# KiCad board fmc_memory_adapter.kicad_pcb (continued)
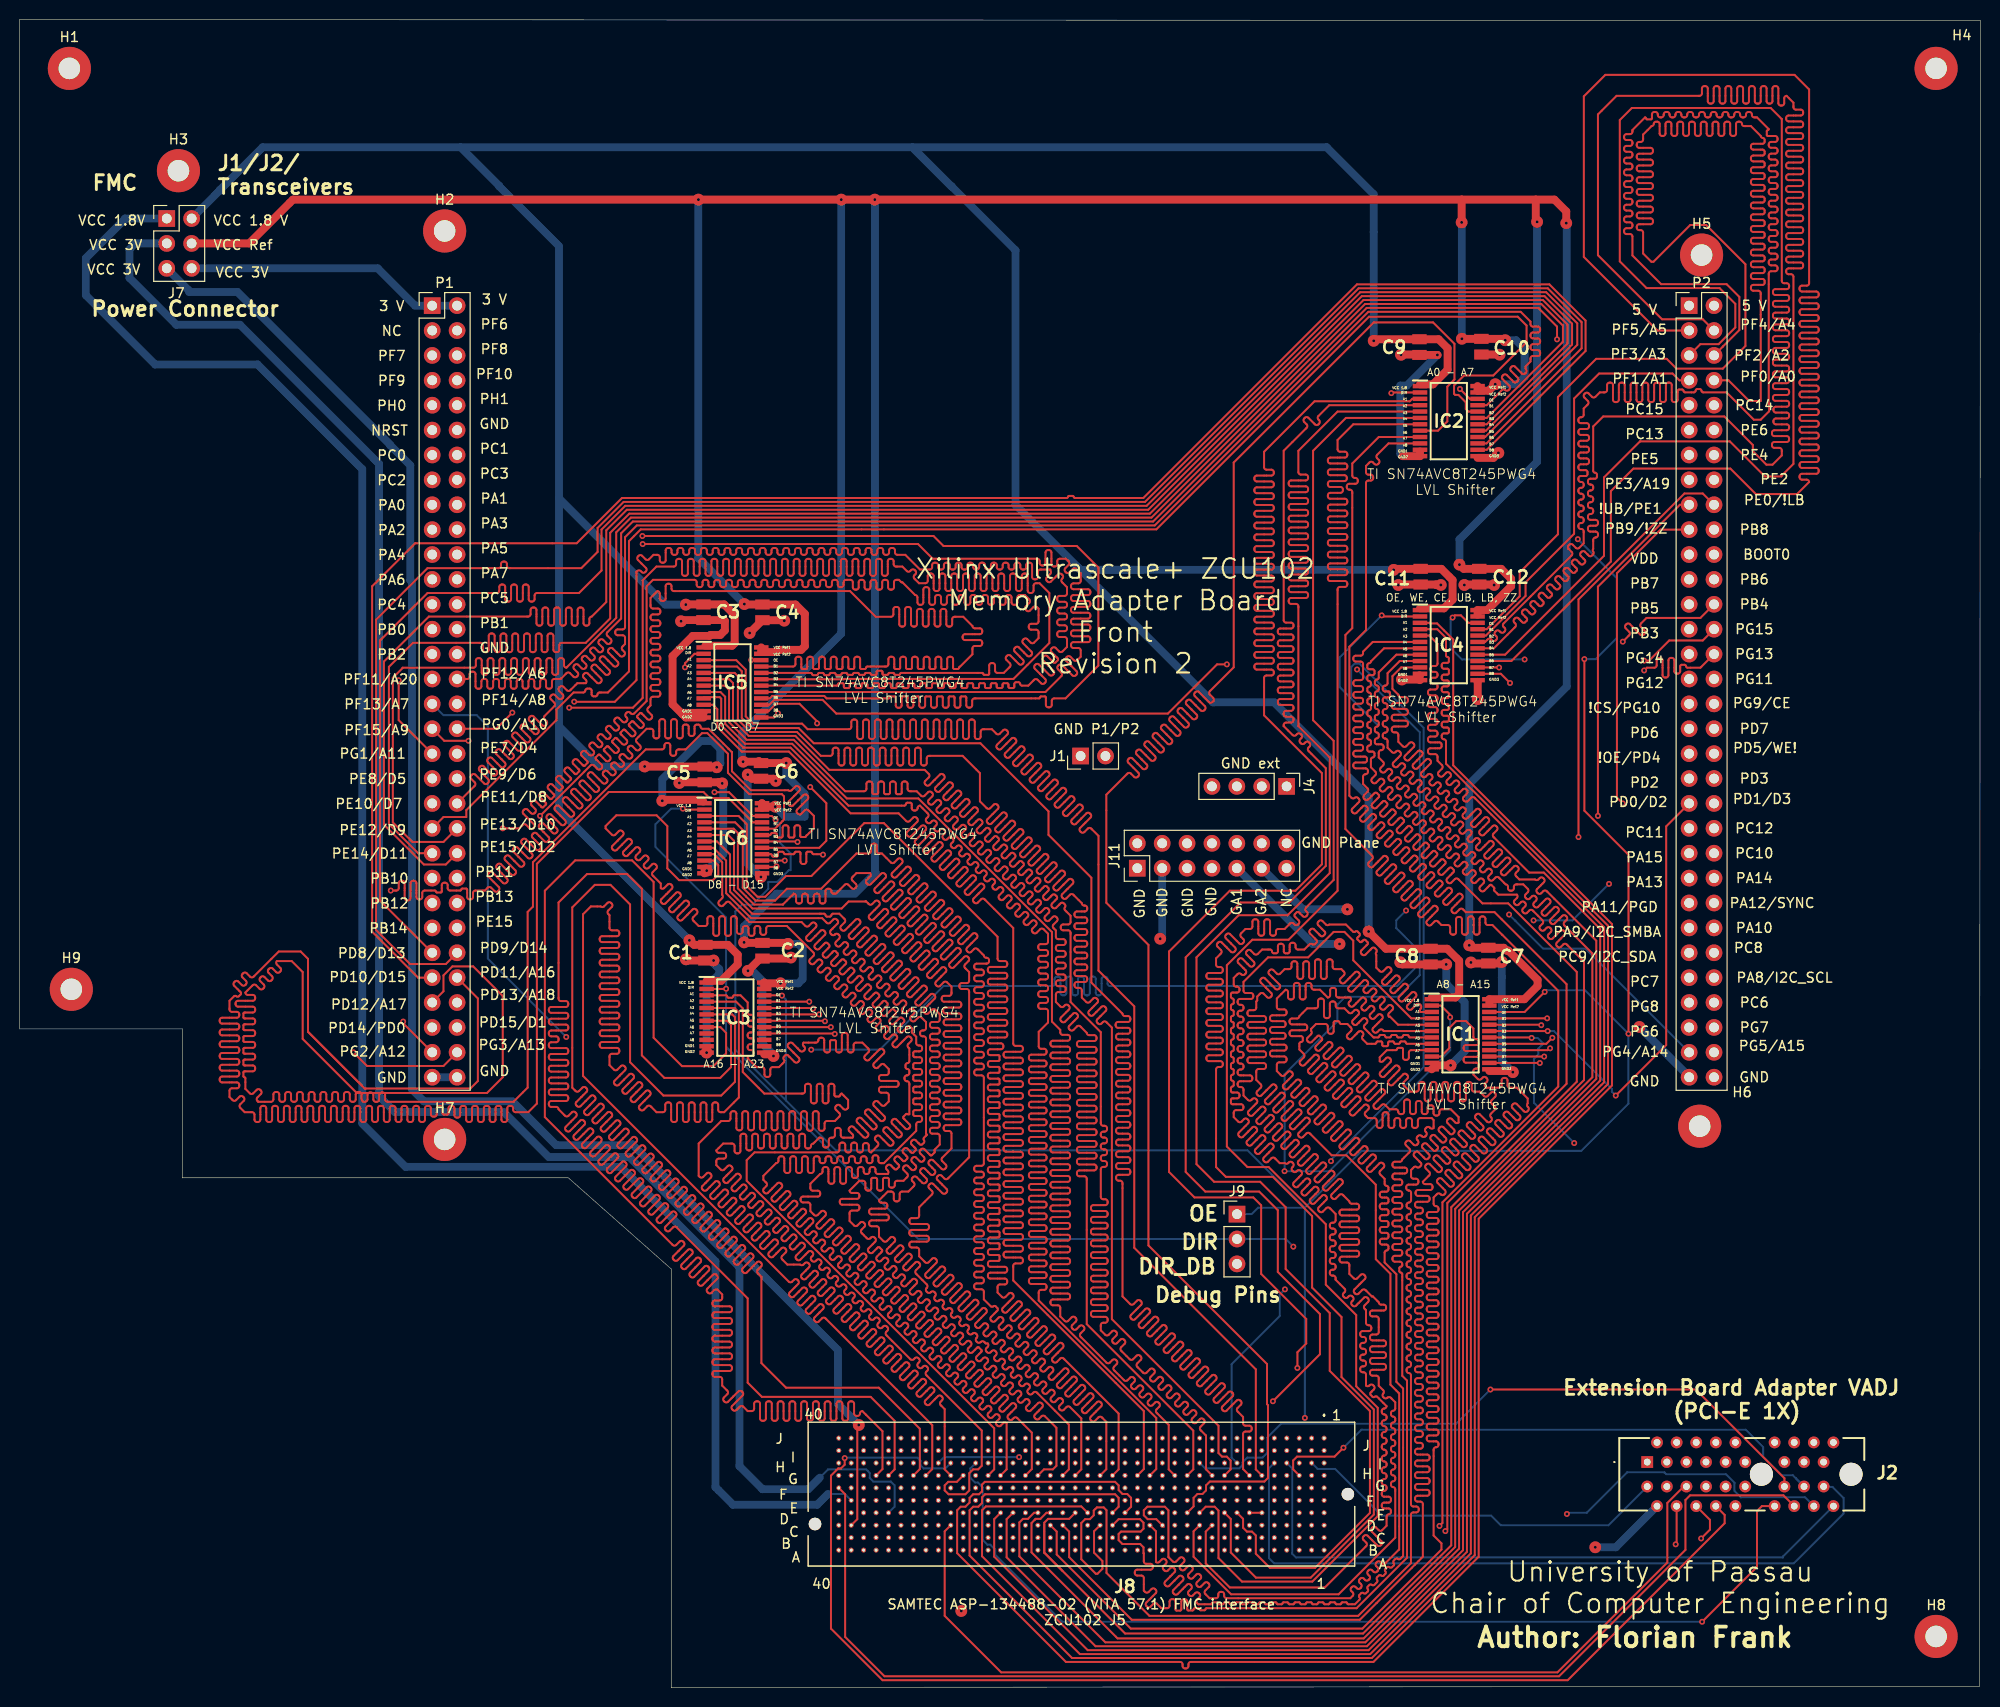
[diagram p0: board, top side]
## Routing (per net, layer and track width the routed paths; a pad name or vN(x,y) marks a point on that pad's centre or on a via; arc(x,y) is an arc through that point) (continued)
  In2.Cu w0.2: v2(38.69,102.78) 40.21,104.3 47.27,104.3 50.97,100.59 v2(56.6,100.59)
Net-(IC5-B5): length 196.4
  Top w0.2: v2(63.59,116.68) 91.69,116.68 93.19,115.18 103.86,115.18 arc(104.03,115.11) 104.1,114.94 104.1,114.74 arc(104.17,114.57) 104.34,114.5 104.46,114.5 arc(104.63,114.57) 104.7,114.74 104.7,115.82 arc(104.77,115.99) 104.94,116.06 105.06,116.06 arc(105.23,115.99) 105.3,115.82 105.3,114.64 arc(105.37,114.47) 105.54,114.4 105.66,114.4 arc(105.83,114.47) 105.9,114.64 105.9,114.94 arc(105.97,115.11) 106.14,115.18 106.79,115.18 107.06,114.9 arc(107.13,114.73) 107.06,114.56 106.71,114.21 arc(106.64,114.04) 106.71,113.87 106.79,113.78 arc(106.96,113.71) 107.13,113.78 107.49,114.14 arc(107.66,114.21) 107.83,114.14 108.29,113.68 108.29,112.91 arc(108.22,112.74) 108.05,112.67 107.54,112.67 arc(107.37,112.6) 107.3,112.43 107.3,112.31 arc(107.37,112.14) 107.54,112.07 109.03,112.07 arc(109.2,112) 109.27,111.83 109.27,111.71 arc(109.2,111.54) 109.03,111.47 107.54,111.47 arc(107.37,111.4) 107.3,111.23 107.3,111.11 arc(107.37,110.94) 107.54,110.87 109.03,110.87 arc(109.2,110.8) 109.27,110.63 109.27,110.51 arc(109.2,110.34) 109.03,110.27 107.54,110.27 arc(107.37,110.2) 107.3,110.03 107.3,109.91 arc(107.37,109.74) 107.54,109.67 109.03,109.67 arc(109.2,109.6) 109.27,109.43 109.27,109.31 arc(109.2,109.14) 109.03,109.07 107.54,109.07 arc(107.37,109) 107.3,108.83 107.3,108.71 arc(107.37,108.54) 107.54,108.47 109.03,108.47 arc(109.2,108.4) 109.27,108.23 109.27,108.11 arc(109.2,107.94) 109.03,107.87 107.54,107.87 arc(107.37,107.8) 107.3,107.63 107.3,107.51 arc(107.37,107.34) 107.54,107.27 109.03,107.27 arc(109.2,107.2) 109.27,107.03 109.27,106.91 arc(109.2,106.74) 109.03,106.67 107.54,106.67 arc(107.37,106.6) 107.3,106.43 107.3,106.31 arc(107.37,106.14) 107.54,106.07 108.05,106.07 arc(108.22,106) 108.29,105.83 108.29,105.18 107.93,104.82 arc(107.76,104.75) 107.59,104.82 107.23,105.18 arc(107.06,105.25) 106.89,105.18 106.81,105.09 arc(106.74,104.92) 106.81,104.75 107.86,103.7 arc(107.93,103.53) 107.86,103.36 107.78,103.28 arc(107.61,103.21) 107.44,103.28 106.38,104.33 arc(106.21,104.4) 106.05,104.33 105.96,104.25 arc(105.89,104.08) 105.96,103.91 106.32,103.55 arc(106.39,103.38) 106.32,103.21 104.69,101.58 IC5.17 ; P1.61 39.15,67.77 v2(39.15,67.95)
  In2.Cu w0.2: v2(63.59,116.68) 56.05,109.14 37.98,109.14 33.89,105.05 33.89,73.18 39.12,67.95 v2(39.15,67.95)
Net-(IC5-B6): length 197.2
  Top w0.2: v2(63.56,117.5) 93.26,117.5 94.29,116.48 107.89,116.48 110.09,114.28 110.09,104.28 106.74,100.93 105.57,100.93 arc(105.4,100.86) 105.33,100.69 105.33,100.26 arc(105.26,100.09) 105.09,100.02 104.97,100.02 arc(104.8,100.09) 104.73,100.26 104.73,101.03 arc(104.7,101.1) 104.63,101.13 104.23,101.13 arc(104.16,101.1) 104.13,101.03 arc(104.1,100.96) 104.03,100.93 97.45,100.93 arc(97.28,100.86) 97.21,100.69 97.21,100.23 arc(97.14,100.06) 96.97,99.99 96.85,99.99 arc(96.68,100.06) 96.61,100.23 96.61,101.03 arc(96.58,101.1) 96.51,101.13 96.11,101.13 arc(96.04,101.1) 96.01,101.03 96.01,100.22 arc(95.94,100.05) 95.77,99.98 95.65,99.98 arc(95.48,100.05) 95.41,100.22 95.41,101.03 arc(95.38,101.1) 95.31,101.13 94.91,101.13 arc(94.84,101.1) 94.81,101.03 94.81,100.22 arc(94.74,100.05) 94.57,99.98 94.45,99.98 arc(94.28,100.05) 94.21,100.22 94.21,101.03 arc(94.18,101.1) 94.11,101.13 93.71,101.13 arc(93.64,101.1) 93.61,101.03 93.61,100.21 arc(93.54,100.05) 93.37,99.97 93.25,99.97 arc(93.08,100.05) 93.01,100.21 93.01,101.03 arc(92.98,101.1) 92.91,101.13 92.51,101.13 arc(92.44,101.1) 92.41,101.03 92.41,100.21 arc(92.34,100.04) 92.17,99.97 92.05,99.97 arc(91.88,100.04) 91.81,100.21 91.81,101.03 arc(91.78,101.1) 91.71,101.13 91.31,101.13 arc(91.24,101.1) 91.21,101.03 91.21,100.21 arc(91.14,100.04) 90.97,99.97 90.85,99.97 arc(90.68,100.04) 90.61,100.21 90.61,101.03 arc(90.58,101.1) 90.51,101.13 90.11,101.13 arc(90.04,101.1) 90.01,101.03 90.01,100.21 arc(89.94,100.04) 89.77,99.97 89.65,99.97 arc(89.48,100.04) 89.41,100.21 89.41,101.03 arc(89.38,101.1) 89.31,101.13 88.89,101.13 arc(88.81,101.1) 88.79,101.03 arc(88.76,100.96) 88.69,100.93 82.36,100.93 82.11,101.18 76.81,101.18 76.56,100.93 IC5.16 ; v2(34.07,64.81) 35.46,63.42 43.26,63.42 P1.62
  In2.Cu w0.2: v2(63.56,117.5) 57.74,111.68 39.79,111.68 33.49,105.38 33.49,65.39 v2(34.07,64.81)
Net-(IC5-B7): length 123.1
  Top w0.2: IC5.15 76.51,100.28 77.01,100.78 81.95,100.78 83.35,99.38 117.18,99.38 122.2,104.4 v2(123.2,104.4)
  In2.Cu w0.2: v2(123.2,104.4) 128.2,104.4 140.4,92.2 140.4,78.1 140.6,78.1 141.17,78.67 143.27,78.67 143.8,79.2 151.67,79.2 v2(152,78.87)
  Bottom w0.2: v2(152,78.87) 155.47,75.4 159.79,75.4 P2.61
Net-(IC5-B8): length 210
  Top w0.2: IC5.14 76.43,99.63 77.18,100.38 79.59,100.38 81.39,98.58 v2(81.39,98.38)
  In2.Cu w0.2: v2(154.5,78.27) 142.78,78.27 139.48,74.97 109.53,74.97 arc(109.36,74.9) 109.29,74.73 109.29,74.66 arc(109.22,74.49) 109.05,74.42 108.93,74.42 arc(108.76,74.49) 108.69,74.66 108.69,75.72 arc(108.62,75.89) 108.45,75.96 108.33,75.96 arc(108.16,75.89) 108.09,75.72 108.09,74.66 arc(108.02,74.49) 107.85,74.42 107.73,74.42 arc(107.56,74.49) 107.49,74.66 107.49,75.72 arc(107.42,75.89) 107.25,75.96 107.13,75.96 arc(106.96,75.89) 106.89,75.72 106.89,74.66 arc(106.82,74.49) 106.65,74.42 106.53,74.42 arc(106.36,74.49) 106.29,74.66 106.29,75.72 arc(106.22,75.89) 106.05,75.96 105.93,75.96 arc(105.76,75.89) 105.69,75.72 105.69,75.21 arc(105.62,75.04) 105.45,74.97 104.8,74.97 104.18,75.58 arc(104.01,75.65) 103.84,75.58 103.48,75.22 arc(103.31,75.15) 103.14,75.22 103.05,75.3 arc(102.98,75.47) 103.05,75.64 104.12,76.71 arc(104.19,76.88) 104.12,77.05 104.04,77.14 arc(103.87,77.21) 103.7,77.14 102.63,76.07 arc(102.46,76) 102.29,76.07 102.21,76.15 arc(102.14,76.32) 102.21,76.49 103.27,77.56 arc(103.34,77.73) 103.27,77.9 103.19,77.98 arc(103.02,78.05) 102.85,77.98 101.78,76.92 arc(101.61,76.85) 101.44,76.92 101.36,77 arc(101.29,77.17) 101.36,77.34 102.42,78.41 arc(102.49,78.58) 102.42,78.75 102.34,78.83 arc(102.17,78.9) 102,78.83 100.93,77.77 arc(100.76,77.7) 100.59,77.77 100.51,77.85 arc(100.44,78.02) 100.51,78.19 101.58,79.26 arc(101.65,79.43) 101.58,79.6 101.49,79.68 arc(101.32,79.75) 101.15,79.68 100.08,78.61 arc(99.91,78.54) 99.74,78.61 99.66,78.7 arc(99.59,78.87) 99.66,79.04 100.73,80.11 arc(100.8,80.28) 100.73,80.45 100.64,80.53 arc(100.47,80.6) 100.3,80.53 99.24,79.46 arc(99.07,79.39) 98.9,79.46 98.81,79.55 arc(98.74,79.72) 98.81,79.89 99.88,80.95 arc(99.95,81.12) 99.88,81.29 99.79,81.38 arc(99.62,81.45) 99.45,81.38 98.39,80.31 arc(98.22,80.24) 98.05,80.31 97.96,80.4 arc(97.89,80.57) 97.96,80.74 99.03,81.8 arc(99.1,81.97) 99.03,82.14 98.95,82.23 arc(98.78,82.3) 98.61,82.23 97.54,81.16 arc(97.37,81.09) 97.2,81.16 97.11,81.24 arc(97.04,81.41) 97.11,81.58 98.18,82.65 arc(98.25,82.82) 98.18,82.99 98.1,83.08 arc(97.93,83.15) 97.76,83.08 96.69,82.01 arc(96.52,81.94) 96.35,82.01 96.27,82.09 arc(96.2,82.26) 96.27,82.43 97.33,83.5 arc(97.4,83.67) 97.33,83.84 97.25,83.92 arc(97.08,83.99) 96.91,83.92 95.84,82.86 arc(95.67,82.79) 95.5,82.86 95.42,82.94 arc(95.35,83.11) 95.42,83.28 96.48,84.35 arc(96.56,84.52) 96.48,84.69 96.4,84.77 arc(96.23,84.84) 96.06,84.77 94.99,83.71 arc(94.82,83.63) 94.65,83.71 94.57,83.79 arc(94.5,83.96) 94.57,84.13 95.64,85.2 arc(95.71,85.37) 95.64,85.54 95.55,85.62 arc(95.38,85.69) 95.21,85.62 94.14,84.55 arc(93.97,84.48) 93.8,84.55 93.72,84.64 arc(93.65,84.81) 93.72,84.98 94.79,86.05 arc(94.86,86.22) 94.79,86.39 94.7,86.47 arc(94.53,86.54) 94.36,86.47 93.3,85.4 arc(93.13,85.33) 92.96,85.4 92.87,85.49 arc(92.8,85.66) 92.87,85.83 93.94,86.89 arc(94.01,87.06) 93.94,87.23 93.85,87.32 arc(93.68,87.39) 93.52,87.32 92.45,86.25 arc(92.28,86.18) 92.11,86.25 92.02,86.34 arc(91.95,86.51) 92.02,86.67 93.09,87.74 arc(93.16,87.91) 93.09,88.08 93.01,88.17 arc(92.84,88.24) 92.67,88.17 91.6,87.1 arc(91.43,87.03) 91.26,87.1 91.17,87.18 arc(91.1,87.35) 91.17,87.52 92.24,88.59 arc(92.31,88.76) 92.24,88.93 92.16,89.02 arc(91.99,89.09) 91.82,89.02 90.75,87.95 arc(90.58,87.88) 90.41,87.95 90.33,88.03 arc(90.26,88.2) 90.33,88.37 91.39,89.44 arc(91.46,89.61) 91.39,89.78 91.31,89.86 arc(91.14,89.93) 90.97,89.86 89.9,88.8 arc(89.73,88.73) 89.56,88.8 89.48,88.88 arc(89.41,89.05) 89.48,89.22 90.55,90.29 arc(90.62,90.46) 90.55,90.63 90.46,90.71 arc(90.29,90.78) 90.12,90.71 89.05,89.64 arc(88.88,89.57) 88.71,89.64 88.63,89.73 arc(88.56,89.9) 88.63,90.07 89.7,91.14 arc(89.77,91.31) 89.7,91.48 89.61,91.56 arc(89.44,91.63) 89.27,91.56 88.2,90.49 arc(88.03,90.42) 87.87,90.49 87.78,90.58 arc(87.71,90.75) 87.78,90.92 88.85,91.99 arc(88.92,92.16) 88.85,92.32 88.76,92.41 arc(88.59,92.48) 88.42,92.41 87.36,91.34 arc(87.19,91.27) 87.02,91.34 86.93,91.43 arc(86.86,91.6) 86.93,91.77 88,92.83 arc(88.07,93) 88,93.17 87.91,93.26 arc(87.75,93.33) 87.58,93.26 86.51,92.19 arc(86.34,92.12) 86.17,92.19 86.08,92.28 arc(86.01,92.44) 86.08,92.61 87.15,93.68 arc(87.22,93.85) 87.15,94.02 87.07,94.11 arc(86.9,94.18) 86.73,94.11 86.36,93.74 arc(86.19,93.67) 86.02,93.74 v2(81.39,98.38) ; P2.62 171.77,63.66 169.1,63.66 167.8,64.96 167.8,79.1 164.9,82 v2(162.2,82)
  Bottom w0.2: v2(154.5,78.27) 158.47,78.27 v2(162.2,82)
Net-(IC6-A1): length 200.2
  Top w0.2: 111.47,21.57 J8.G18 ; J8.G18 111.45,21.71 ; J8.G18 112.16,22.25 112.16,27.94 106.54,33.56 arc(106.37,33.63) 106.2,33.56 105.84,33.2 arc(105.67,33.13) 105.5,33.2 105.42,33.29 arc(105.35,33.46) 105.42,33.63 106.47,34.68 arc(106.54,34.85) 106.47,35.02 106.39,35.11 arc(106.22,35.18) 106.05,35.11 104.99,34.05 arc(104.82,33.98) 104.65,34.05 104.57,34.14 arc(104.5,34.31) 104.57,34.48 105.62,35.53 arc(105.69,35.7) 105.62,35.87 105.54,35.95 arc(105.37,36.02) 105.2,35.95 104.15,34.9 arc(103.98,34.83) 103.81,34.9 103.72,34.99 arc(103.65,35.16) 103.72,35.33 104.77,36.38 arc(104.84,36.55) 104.77,36.72 104.69,36.8 arc(104.52,36.87) 104.35,36.8 103.3,35.75 arc(103.13,35.68) 102.96,35.75 102.87,35.84 arc(102.8,36) 102.87,36.17 103.93,37.23 arc(104,37.4) 103.93,37.57 103.84,37.65 arc(103.67,37.72) 103.5,37.65 102.45,36.6 arc(102.28,36.53) 102.11,36.6 102.02,36.68 arc(101.95,36.85) 102.02,37.02 103.08,38.08 arc(103.15,38.25) 103.08,38.42 102.99,38.5 arc(102.82,38.57) 102.65,38.5 101.6,37.45 arc(101.43,37.38) 101.26,37.45 101.18,37.53 arc(101.11,37.7) 101.18,37.87 102.23,38.92 arc(102.3,39.09) 102.23,39.26 102.14,39.35 arc(101.97,39.42) 101.8,39.35 100.75,38.3 arc(100.58,38.23) 100.41,38.3 100.33,38.38 arc(100.26,38.55) 100.33,38.72 101.38,39.77 arc(101.45,39.94) 101.38,40.11 101.3,40.2 arc(101.13,40.27) 100.96,40.2 100.6,39.84 arc(100.43,39.77) 100.26,39.84 99.8,40.3 99.8,40.88 arc(99.87,41.05) 100.04,41.12 100.54,41.12 arc(100.71,41.19) 100.78,41.36 100.78,41.48 arc(100.71,41.65) 100.54,41.72 99.06,41.72 arc(98.89,41.79) 98.82,41.96 98.82,42.08 arc(98.89,42.25) 99.06,42.32 100.54,42.32 arc(100.71,42.39) 100.78,42.56 100.78,42.68 arc(100.71,42.85) 100.54,42.92 99.06,42.92 arc(98.89,42.99) 98.82,43.16 98.82,43.28 arc(98.89,43.45) 99.06,43.52 99.9,43.52 arc(99.97,43.55) 100,43.62 100,44.02 arc(99.97,44.09) 99.9,44.12 99.05,44.12 arc(98.89,44.19) 98.81,44.36 98.81,44.48 arc(98.89,44.65) 99.05,44.72 99.9,44.72 arc(99.97,44.75) 100,44.82 100,45.22 arc(99.97,45.29) 99.9,45.32 99.05,45.32 arc(98.88,45.39) 98.81,45.56 98.81,45.68 arc(98.88,45.85) 99.05,45.92 99.9,45.92 arc(99.97,45.95) 100,46.02 100,46.42 arc(99.97,46.49) 99.9,46.52 99.05,46.52 arc(98.88,46.59) 98.81,46.76 98.81,46.88 arc(98.88,47.05) 99.05,47.12 99.9,47.12 arc(99.97,47.15) 100,47.22 100,47.62 arc(99.97,47.69) 99.9,47.72 99.05,47.72 arc(98.88,47.79) 98.81,47.96 98.81,48.08 arc(98.88,48.25) 99.05,48.32 99.9,48.32 arc(99.97,48.35) 100,48.42 100,48.82 arc(99.97,48.89) 99.9,48.92 99.05,48.92 arc(98.88,48.99) 98.81,49.16 98.81,49.28 arc(98.88,49.45) 99.05,49.52 99.9,49.52 arc(99.97,49.55) 100,49.62 100,50.02 arc(99.97,50.09) 99.9,50.12 99.05,50.12 arc(98.88,50.19) 98.81,50.36 98.81,50.48 arc(98.88,50.65) 99.05,50.72 99.9,50.72 arc(99.97,50.75) 100,50.82 100,51.22 arc(99.97,51.29) 99.9,51.32 99.05,51.32 arc(98.88,51.39) 98.81,51.56 98.81,51.68 arc(98.88,51.85) 99.05,51.92 99.9,51.92 arc(99.97,51.95) 100,52.02 100,52.42 arc(99.97,52.49) 99.9,52.52 99.05,52.52 arc(98.88,52.59) 98.81,52.76 98.81,52.88 arc(98.88,53.05) 99.05,53.12 99.9,53.12 arc(99.97,53.15) 100,53.22 100,53.62 arc(99.97,53.69) 99.9,53.72 99.05,53.72 arc(98.88,53.79) 98.81,53.96 98.81,54.08 arc(98.88,54.25) 99.05,54.32 99.9,54.32 arc(99.97,54.35) 100,54.42 100,54.82 arc(99.97,54.89) 99.9,54.92 99.05,54.92 arc(98.88,54.99) 98.81,55.16 98.81,55.28 arc(98.88,55.45) 99.05,55.52 99.9,55.52 arc(99.97,55.55) 100,55.62 100,56.02 arc(99.97,56.09) 99.9,56.12 99.05,56.12 arc(98.88,56.19) 98.81,56.36 98.81,56.48 arc(98.88,56.65) 99.05,56.72 99.9,56.72 arc(99.97,56.75) 100,56.82 100,57.22 arc(99.97,57.29) 99.9,57.32 99.05,57.32 arc(98.88,57.39) 98.81,57.56 98.81,57.68 arc(98.88,57.85) 99.05,57.92 99.9,57.92 arc(99.97,57.95) 100,58.02 100,58.42 arc(99.97,58.49) 99.9,58.52 99.05,58.52 arc(98.88,58.59) 98.81,58.76 98.81,58.88 arc(98.88,59.05) 99.05,59.12 99.9,59.12 arc(99.97,59.15) 100,59.22 100,59.62 arc(99.97,59.69) 99.9,59.72 99.05,59.72 arc(98.88,59.79) 98.81,59.96 98.81,60.08 arc(98.88,60.25) 99.05,60.32 99.9,60.32 arc(99.97,60.35) 100,60.42 100,60.82 arc(99.97,60.89) 99.9,60.92 99.05,60.92 arc(98.88,60.99) 98.81,61.16 98.81,61.28 arc(98.88,61.45) 99.05,61.52 99.9,61.52 arc(99.97,61.55) 100,61.62 100,62.02 arc(99.97,62.09) 99.9,62.12 99.05,62.12 arc(98.88,62.19) 98.81,62.36 98.81,62.48 arc(98.88,62.65) 99.05,62.72 99.9,62.72 arc(99.97,62.75) 100,62.82 100,63.22 arc(99.97,63.29) 99.9,63.32 99.05,63.32 arc(98.88,63.39) 98.81,63.56 98.81,63.68 arc(98.88,63.85) 99.05,63.92 99.9,63.92 arc(99.97,63.95) 100,64.02 100,64.42 arc(99.97,64.49) 99.9,64.52 99.05,64.52 arc(98.88,64.59) 98.81,64.76 98.81,64.88 arc(98.88,65.05) 99.05,65.12 100.15,65.12 arc(100.32,65.19) 100.39,65.36 100.39,65.48 arc(100.32,65.65) 100.15,65.72 99.05,65.72 arc(98.88,65.79) 98.81,65.96 98.81,66.08 arc(98.88,66.25) 99.05,66.32 100.55,66.32 arc(100.72,66.39) 100.79,66.56 100.79,66.68 arc(100.72,66.85) 100.55,66.92 99.05,66.92 arc(98.88,66.99) 98.81,67.16 98.81,67.28 arc(98.88,67.45) 99.05,67.52 100.55,67.52 arc(100.72,67.59) 100.79,67.76 100.79,67.88 arc(100.72,68.05) 100.55,68.12 99.05,68.12 arc(98.88,68.19) 98.81,68.36 98.81,68.48 arc(98.88,68.65) 99.05,68.72 100.55,68.72 arc(100.72,68.79) 100.79,68.96 100.79,69.08 arc(100.72,69.25) 100.55,69.32 99.05,69.32 arc(98.88,69.39) 98.81,69.56 98.81,69.68 arc(98.88,69.85) 99.05,69.92 100.55,69.92 arc(100.72,69.99) 100.79,70.16 100.79,70.28 arc(100.72,70.45) 100.55,70.52 99.05,70.52 arc(98.88,70.59) 98.81,70.76 98.81,70.88 arc(98.88,71.05) 99.05,71.12 100.55,71.12 arc(100.72,71.19) 100.79,71.36 100.79,71.48 arc(100.72,71.65) 100.55,71.72 99.05,71.72 arc(98.88,71.79) 98.81,71.96 98.81,72.08 arc(98.88,72.25) 99.05,72.32 100.55,72.32 arc(100.72,72.39) 100.79,72.56 100.79,72.68 arc(100.72,72.85) 100.55,72.92 99.05,72.92 arc(98.88,72.99) 98.81,73.16 98.81,73.28 arc(98.88,73.45) 99.05,73.52 100.55,73.52 arc(100.72,73.59) 100.79,73.76 100.79,73.88 arc(100.72,74.05) 100.55,74.12 100.04,74.12 arc(99.87,74.19) 99.8,74.36 99.8,76.6 88.2,88.2 86.2,88.2 80.8,82.8 78.21,82.8 76.1,80.69 75.29,80.69 74.2,81.78 74.2,88.1 73.37,88.93 IC6.3
Net-(IC6-A2): length 200
  Top w0.2: J8.G19 110.9,22.26 110.9,27.1 110.44,27.56 arc(110.27,27.63) 110.1,27.56 109.73,27.19 arc(109.56,27.12) 109.39,27.19 109.31,27.28 arc(109.24,27.45) 109.31,27.62 110.38,28.69 arc(110.45,28.86) 110.38,29.03 110.3,29.12 arc(110.13,29.19) 109.96,29.12 108.88,28.04 arc(108.71,27.97) 108.54,28.04 108.46,28.13 arc(108.39,28.3) 108.46,28.47 109.53,29.54 arc(109.6,29.71) 109.53,29.88 109.45,29.96 arc(109.28,30.03) 109.11,29.96 108.04,28.89 arc(107.87,28.82) 107.7,28.89 107.61,28.97 arc(107.54,29.14) 107.61,29.31 108.69,30.39 arc(108.76,30.56) 108.69,30.73 108.6,30.81 arc(108.43,30.88) 108.26,30.81 107.19,29.74 arc(107.02,29.67) 106.85,29.74 106.76,29.82 arc(106.69,29.99) 106.76,30.16 107.84,31.24 arc(107.91,31.41) 107.84,31.58 107.75,31.66 arc(107.58,31.73) 107.41,31.66 106.34,30.59 arc(106.17,30.52) 106,30.59 105.91,30.67 arc(105.84,30.84) 105.91,31.01 106.99,32.09 arc(107.06,32.26) 106.99,32.43 106.9,32.51 arc(106.73,32.58) 106.56,32.51 105.49,31.44 arc(105.32,31.37) 105.15,31.44 105.07,31.52 arc(105,31.69) 105.07,31.86 105.43,32.23 arc(105.5,32.4) 105.43,32.57 105.35,32.65 arc(105.18,32.72) 105.01,32.65 104.64,32.28 arc(104.47,32.21) 104.3,32.28 104.22,32.37 arc(104.15,32.54) 104.22,32.71 104.58,33.08 arc(104.65,33.25) 104.58,33.42 104.5,33.5 arc(104.33,33.57) 104.16,33.5 103.79,33.13 arc(103.62,33.06) 103.45,33.13 103.37,33.22 arc(103.3,33.39) 103.37,33.56 103.74,33.92 arc(103.81,34.09) 103.74,34.26 103.65,34.35 arc(103.48,34.42) 103.31,34.35 102.94,33.98 arc(102.77,33.91) 102.6,33.98 102.52,34.07 arc(102.45,34.24) 102.52,34.41 102.89,34.77 arc(102.96,34.94) 102.89,35.11 102.8,35.2 arc(102.63,35.27) 102.46,35.2 102.1,34.83 arc(101.93,34.76) 101.76,34.83 101.67,34.91 arc(101.6,35.08) 101.67,35.25 102.04,35.62 arc(102.11,35.79) 102.04,35.96 101.95,36.05 arc(101.78,36.12) 101.61,36.05 101.25,35.68 arc(101.08,35.61) 100.91,35.68 100.82,35.76 arc(100.75,35.93) 100.82,36.1 101.19,36.47 arc(101.26,36.64) 101.19,36.81 101.11,36.89 arc(100.94,36.96) 100.77,36.89 100.4,36.53 arc(100.23,36.46) 100.06,36.53 99.97,36.61 arc(99.9,36.78) 99.97,36.95 100.34,37.32 arc(100.41,37.49) 100.34,37.66 100.26,37.74 arc(100.09,37.81) 99.92,37.74 99.55,37.38 arc(99.38,37.3) 99.21,37.38 99.13,37.46 arc(99.06,37.63) 99.13,37.8 99.79,38.46 arc(99.84,38.58) 99.79,38.71 99.61,38.88 arc(99.49,38.94) 99.36,38.88 arc(99.24,38.83) 99.12,38.88 98.4,39.6 98.4,40.39 arc(98.33,40.56) 98.16,40.63 97.66,40.63 arc(97.49,40.7) 97.42,40.87 97.42,40.99 arc(97.49,41.16) 97.66,41.23 98.16,41.23 arc(98.33,41.3) 98.4,41.47 98.4,41.59 arc(98.33,41.76) 98.16,41.83 97.66,41.83 arc(97.49,41.9) 97.42,42.07 97.42,42.19 arc(97.49,42.36) 97.66,42.43 98.16,42.43 arc(98.33,42.5) 98.4,42.67 98.4,42.79 arc(98.33,42.96) 98.16,43.03 97.66,43.03 arc(97.49,43.1) 97.42,43.27 97.42,43.39 arc(97.49,43.56) 97.66,43.63 98.16,43.63 arc(98.33,43.7) 98.4,43.87 98.4,43.99 arc(98.33,44.16) 98.16,44.23 97.66,44.23 arc(97.49,44.3) 97.42,44.47 97.42,44.59 arc(97.49,44.76) 97.66,44.83 98.16,44.83 arc(98.33,44.9) 98.4,45.07 98.4,45.19 arc(98.33,45.36) 98.16,45.43 97.66,45.43 arc(97.49,45.5) 97.42,45.67 97.42,45.79 arc(97.49,45.96) 97.66,46.03 98.16,46.03 arc(98.33,46.1) 98.4,46.27 98.4,46.39 arc(98.33,46.56) 98.16,46.63 97.66,46.63 arc(97.49,46.7) 97.42,46.87 97.42,46.99 arc(97.49,47.16) 97.66,47.23 98.16,47.23 arc(98.33,47.3) 98.4,47.47 98.4,47.59 arc(98.33,47.76) 98.16,47.83 97.66,47.83 arc(97.49,47.9) 97.42,48.07 97.42,48.19 arc(97.49,48.36) 97.66,48.43 98.16,48.43 arc(98.33,48.5) 98.4,48.67 98.4,48.79 arc(98.33,48.96) 98.16,49.03 97.66,49.03 arc(97.49,49.1) 97.42,49.27 97.42,49.39 arc(97.49,49.56) 97.66,49.63 98.16,49.63 arc(98.33,49.7) 98.4,49.87 98.4,49.99 arc(98.33,50.16) 98.16,50.23 97.66,50.23 arc(97.49,50.3) 97.42,50.47 97.42,50.59 arc(97.49,50.76) 97.66,50.83 98.16,50.83 arc(98.33,50.9) 98.4,51.07 98.4,51.19 arc(98.33,51.36) 98.16,51.43 97.66,51.43 arc(97.49,51.5) 97.42,51.67 97.42,51.79 arc(97.49,51.96) 97.66,52.03 98.16,52.03 arc(98.33,52.1) 98.4,52.27 98.4,52.39 arc(98.33,52.56) 98.16,52.63 97.66,52.63 arc(97.49,52.7) 97.42,52.87 97.42,52.99 arc(97.49,53.16) 97.66,53.23 98.16,53.23 arc(98.33,53.3) 98.4,53.47 98.4,62.22 arc(98.33,62.39) 98.16,62.46 97.66,62.46 arc(97.49,62.53) 97.42,62.7 97.42,62.82 arc(97.49,62.99) 97.66,63.06 98.16,63.06 arc(98.33,63.13) 98.4,63.3 98.4,63.42 arc(98.33,63.59) 98.16,63.66 97.66,63.66 arc(97.49,63.73) 97.42,63.9 97.42,64.02 arc(97.49,64.19) 97.66,64.26 98.16,64.26 arc(98.33,64.33) 98.4,64.5 98.4,64.62 arc(98.33,64.79) 98.16,64.86 97.66,64.86 arc(97.49,64.93) 97.42,65.1 97.42,65.22 arc(97.49,65.39) 97.66,65.46 98.16,65.46 arc(98.33,65.53) 98.4,65.7 98.4,65.82 arc(98.33,65.99) 98.16,66.06 97.66,66.06 arc(97.49,66.13) 97.42,66.3 97.42,66.42 arc(97.49,66.59) 97.66,66.66 98.16,66.66 arc(98.33,66.73) 98.4,66.9 98.4,67.02 arc(98.33,67.19) 98.16,67.26 97.66,67.26 arc(97.49,67.33) 97.42,67.5 97.42,67.62 arc(97.49,67.79) 97.66,67.86 98.16,67.86 arc(98.33,67.93) 98.4,68.1 98.4,68.22 arc(98.33,68.39) 98.16,68.46 97.66,68.46 arc(97.49,68.53) 97.42,68.7 97.42,68.82 arc(97.49,68.99) 97.66,69.06 98.16,69.06 arc(98.33,69.13) 98.4,69.3 98.4,69.42 arc(98.33,69.59) 98.16,69.66 97.66,69.66 arc(97.49,69.73) 97.42,69.9 97.42,70.02 arc(97.49,70.19) 97.66,70.26 98.16,70.26 arc(98.33,70.33) 98.4,70.5 98.4,70.62 arc(98.33,70.79) 98.16,70.86 97.66,70.86 arc(97.49,70.93) 97.42,71.1 97.42,71.22 arc(97.49,71.39) 97.66,71.46 98.16,71.46 arc(98.33,71.53) 98.4,71.7 98.4,71.82 arc(98.33,71.99) 98.16,72.06 97.66,72.06 arc(97.49,72.13) 97.42,72.3 97.42,72.42 arc(97.49,72.59) 97.66,72.66 98.16,72.66 arc(98.33,72.73) 98.4,72.9 98.4,73.02 arc(98.33,73.19) 98.16,73.26 97.66,73.26 arc(97.49,73.33) 97.42,73.5 97.42,73.62 arc(97.49,73.79) 97.66,73.86 98.69,73.86 arc(98.86,73.93) 98.93,74.1 98.93,74.22 arc(98.86,74.39) 98.69,74.46 98.64,74.46 arc(98.47,74.53) 98.4,74.7 97.74,75.36 arc(97.57,75.43) 97.4,75.36 97.11,75.06 arc(96.94,74.99) 96.77,75.06 96.68,75.14 arc(96.61,75.31) 96.68,75.48 97.69,76.49 arc(97.76,76.66) 97.69,76.83 97.6,76.91 arc(97.43,76.98) 97.26,76.91 96.26,75.91 arc(96.09,75.84) 95.92,75.91 95.83,75.99 arc(95.76,76.16) 95.83,76.33 96.84,77.34 arc(96.91,77.51) 96.84,77.68 96.75,77.76 arc(96.58,77.83) 96.41,77.76 95.41,76.76 arc(95.24,76.69) 95.07,76.76 94.99,76.84 arc(94.92,77.01) 94.99,77.18 95.99,78.18 arc(96.06,78.35) 95.99,78.52 95.91,78.61 arc(95.74,78.68) 95.57,78.61 94.56,77.6 arc(94.39,77.53) 94.22,77.6 94.14,77.69 arc(94.07,77.86) 94.14,78.03 95.14,79.03 arc(95.21,79.2) 95.14,79.37 95.06,79.46 arc(94.89,79.53) 94.72,79.46 93.71,78.45 arc(93.54,78.38) 93.37,78.45 93.29,78.54 arc(93.22,78.71) 93.29,78.88 94.29,79.88 arc(94.36,80.05) 94.29,80.22 94.21,80.31 arc(94.04,80.38) 93.87,80.31 92.86,79.3 arc(92.7,79.23) 92.53,79.3 92.44,79.39 arc(92.37,79.56) 92.44,79.73 93.44,80.73 arc(93.52,80.9) 93.44,81.07 93.36,81.15 arc(93.19,81.22) 93.02,81.15 92.02,80.15 arc(91.85,80.08) 91.68,80.15 91.59,80.24 arc(91.52,80.4) 91.59,80.57 92.6,81.58 arc(92.67,81.75) 92.6,81.92 92.51,82 arc(92.34,82.07) 92.17,82 91.17,81 arc(91,80.93) 90.83,81 90.74,81.08 arc(90.67,81.25) 90.74,81.42 91.75,82.43 arc(91.82,82.6) 91.75,82.77 91.66,82.85 arc(91.49,82.92) 91.32,82.85 90.32,81.85 arc(90.15,81.78) 89.98,81.85 89.9,81.93 arc(89.82,82.1) 89.9,82.27 90.9,83.28 arc(90.97,83.45) 90.9,83.62 90.81,83.7 arc(90.64,83.77) 90.47,83.7 89.47,82.7 arc(89.3,82.63) 89.13,82.7 89.05,82.78 arc(88.98,82.95) 89.05,83.12 90.05,84.12 arc(90.12,84.29) 90.05,84.46 89.97,84.55 arc(89.8,84.62) 89.63,84.55 89.26,84.18 arc(89.09,84.11) 88.92,84.18 88,85.1 87.73,85.1 arc(87.56,85.17) 87.49,85.34 87.49,85.86 arc(87.42,86.03) 87.25,86.1 87.13,86.1 arc(86.96,86.03) 86.89,85.86 86.89,85.34 arc(86.82,85.17) 86.65,85.1 85.4,85.1 81.8,81.5 78.3,81.5 77.09,80.29 75.12,80.29 73.8,81.61 73.8,87.5 73.02,88.28 IC6.4
